# Altium PCB PCB1.PcbDoc (part 1 of 2)
Units mm, origin at the board's own origin, x right, y up, seen from the top; angles counter-clockwise.
Board outline 209.98 x 130 mm, 2 copper layers (Top Layer, Bottom Layer); 182 components, 114 nets, 601 pads, 525 vias.
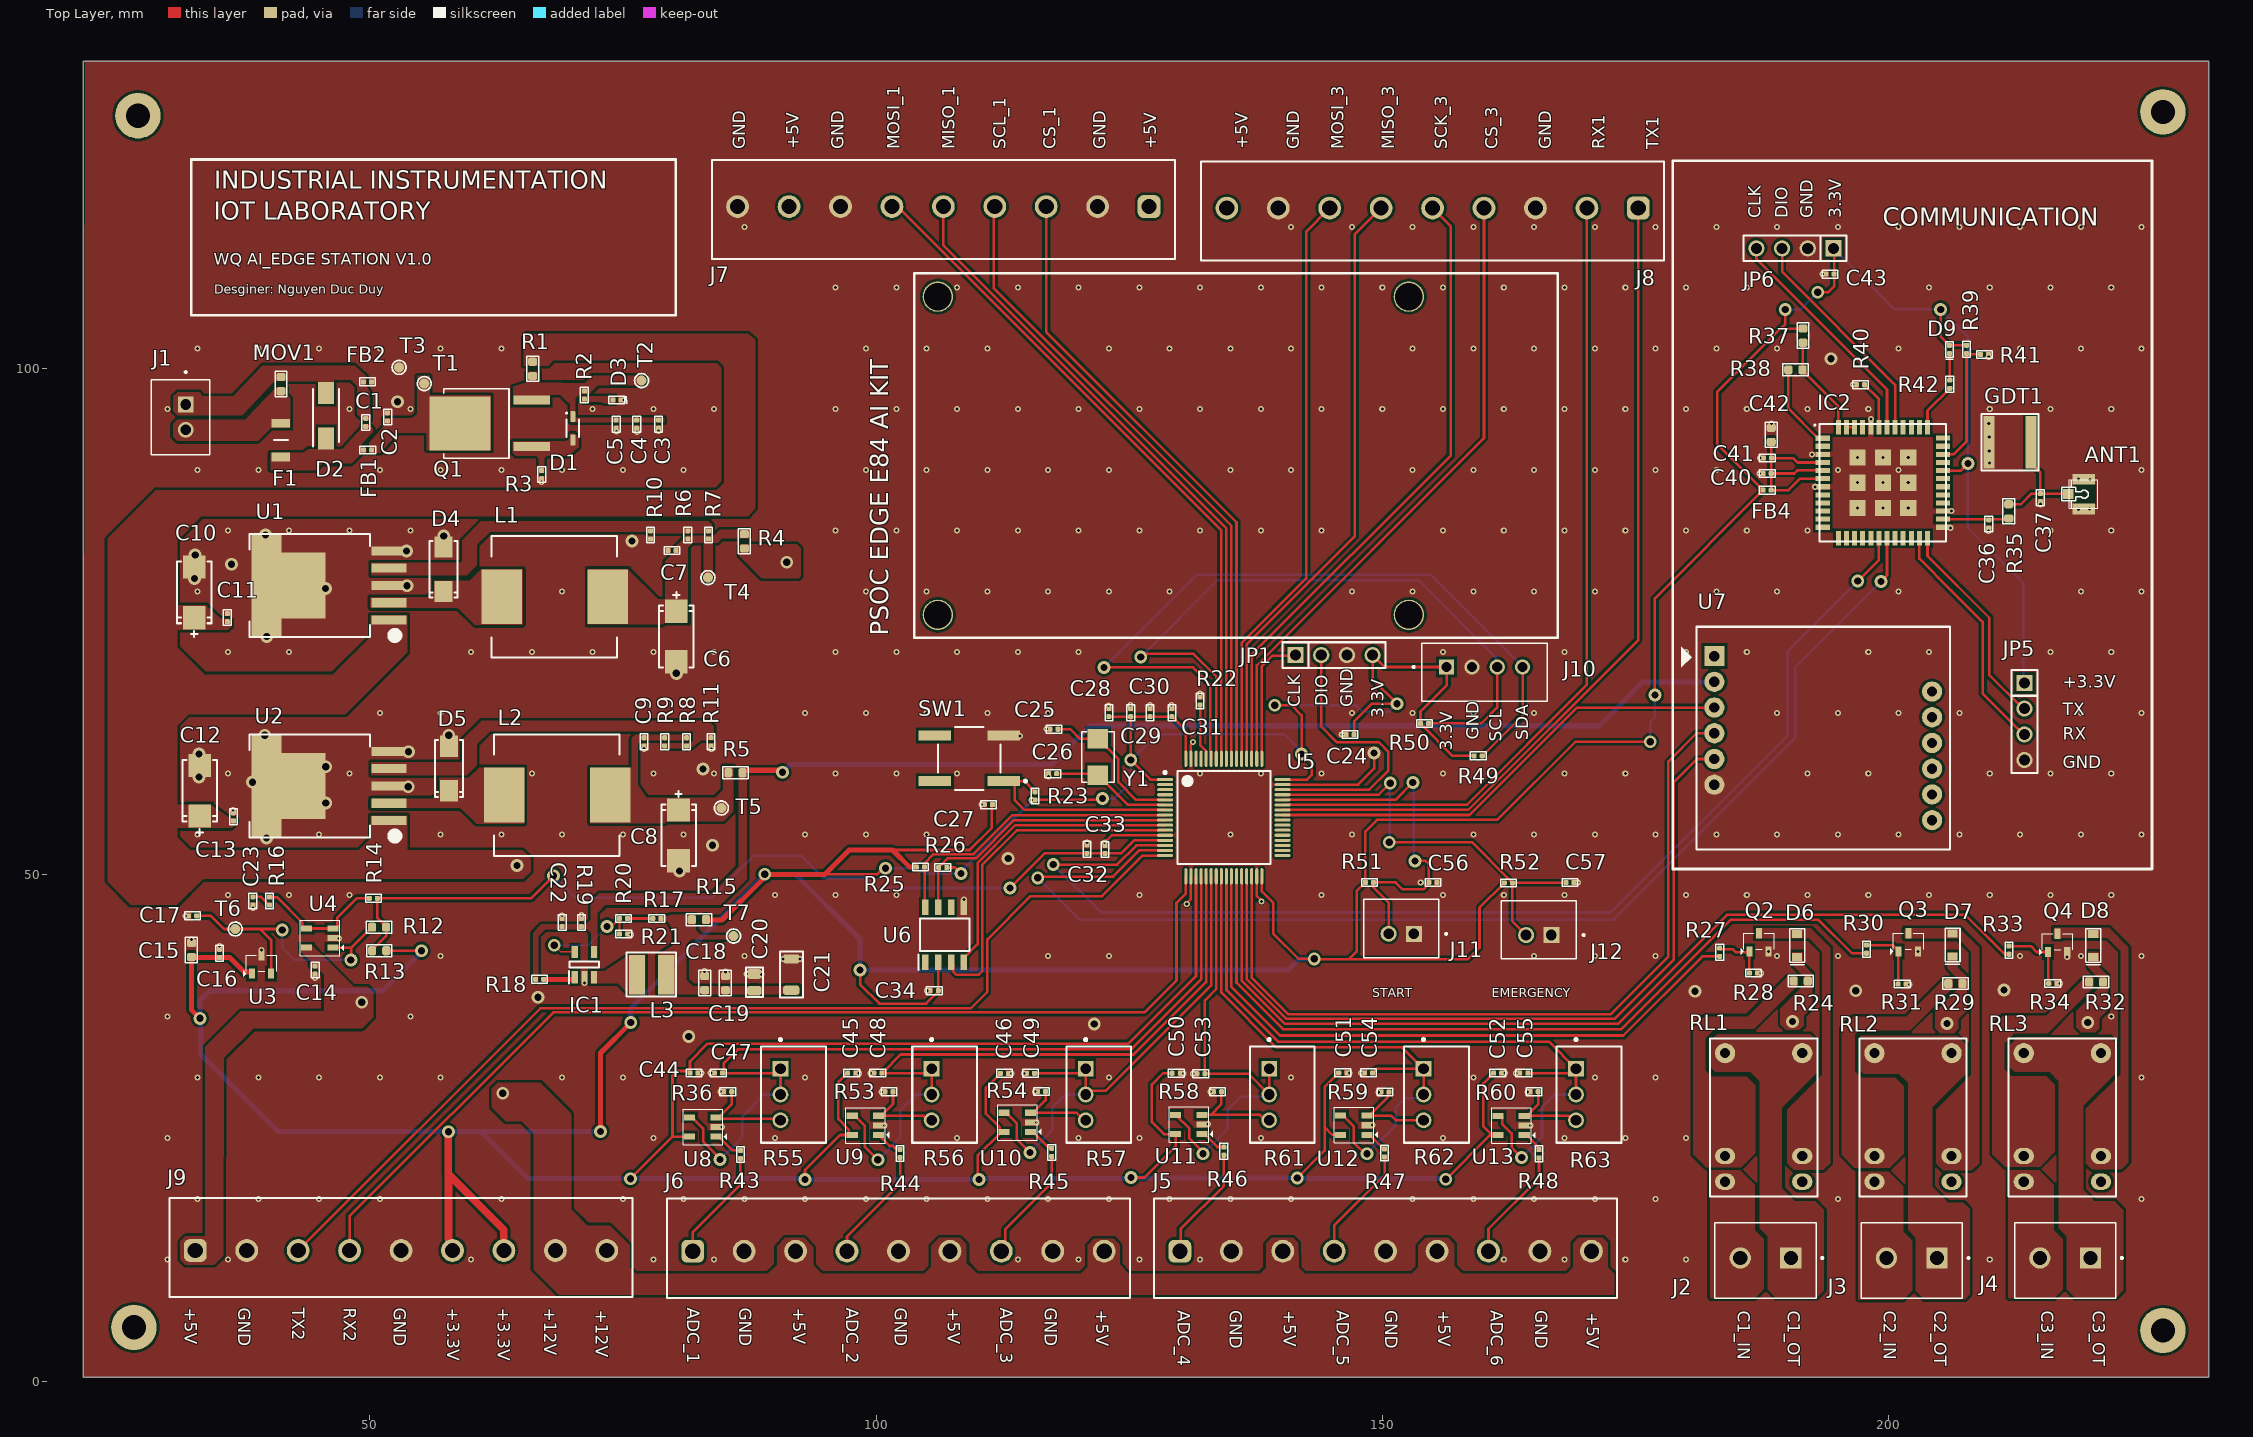
[diagram p0: Top Layer view]
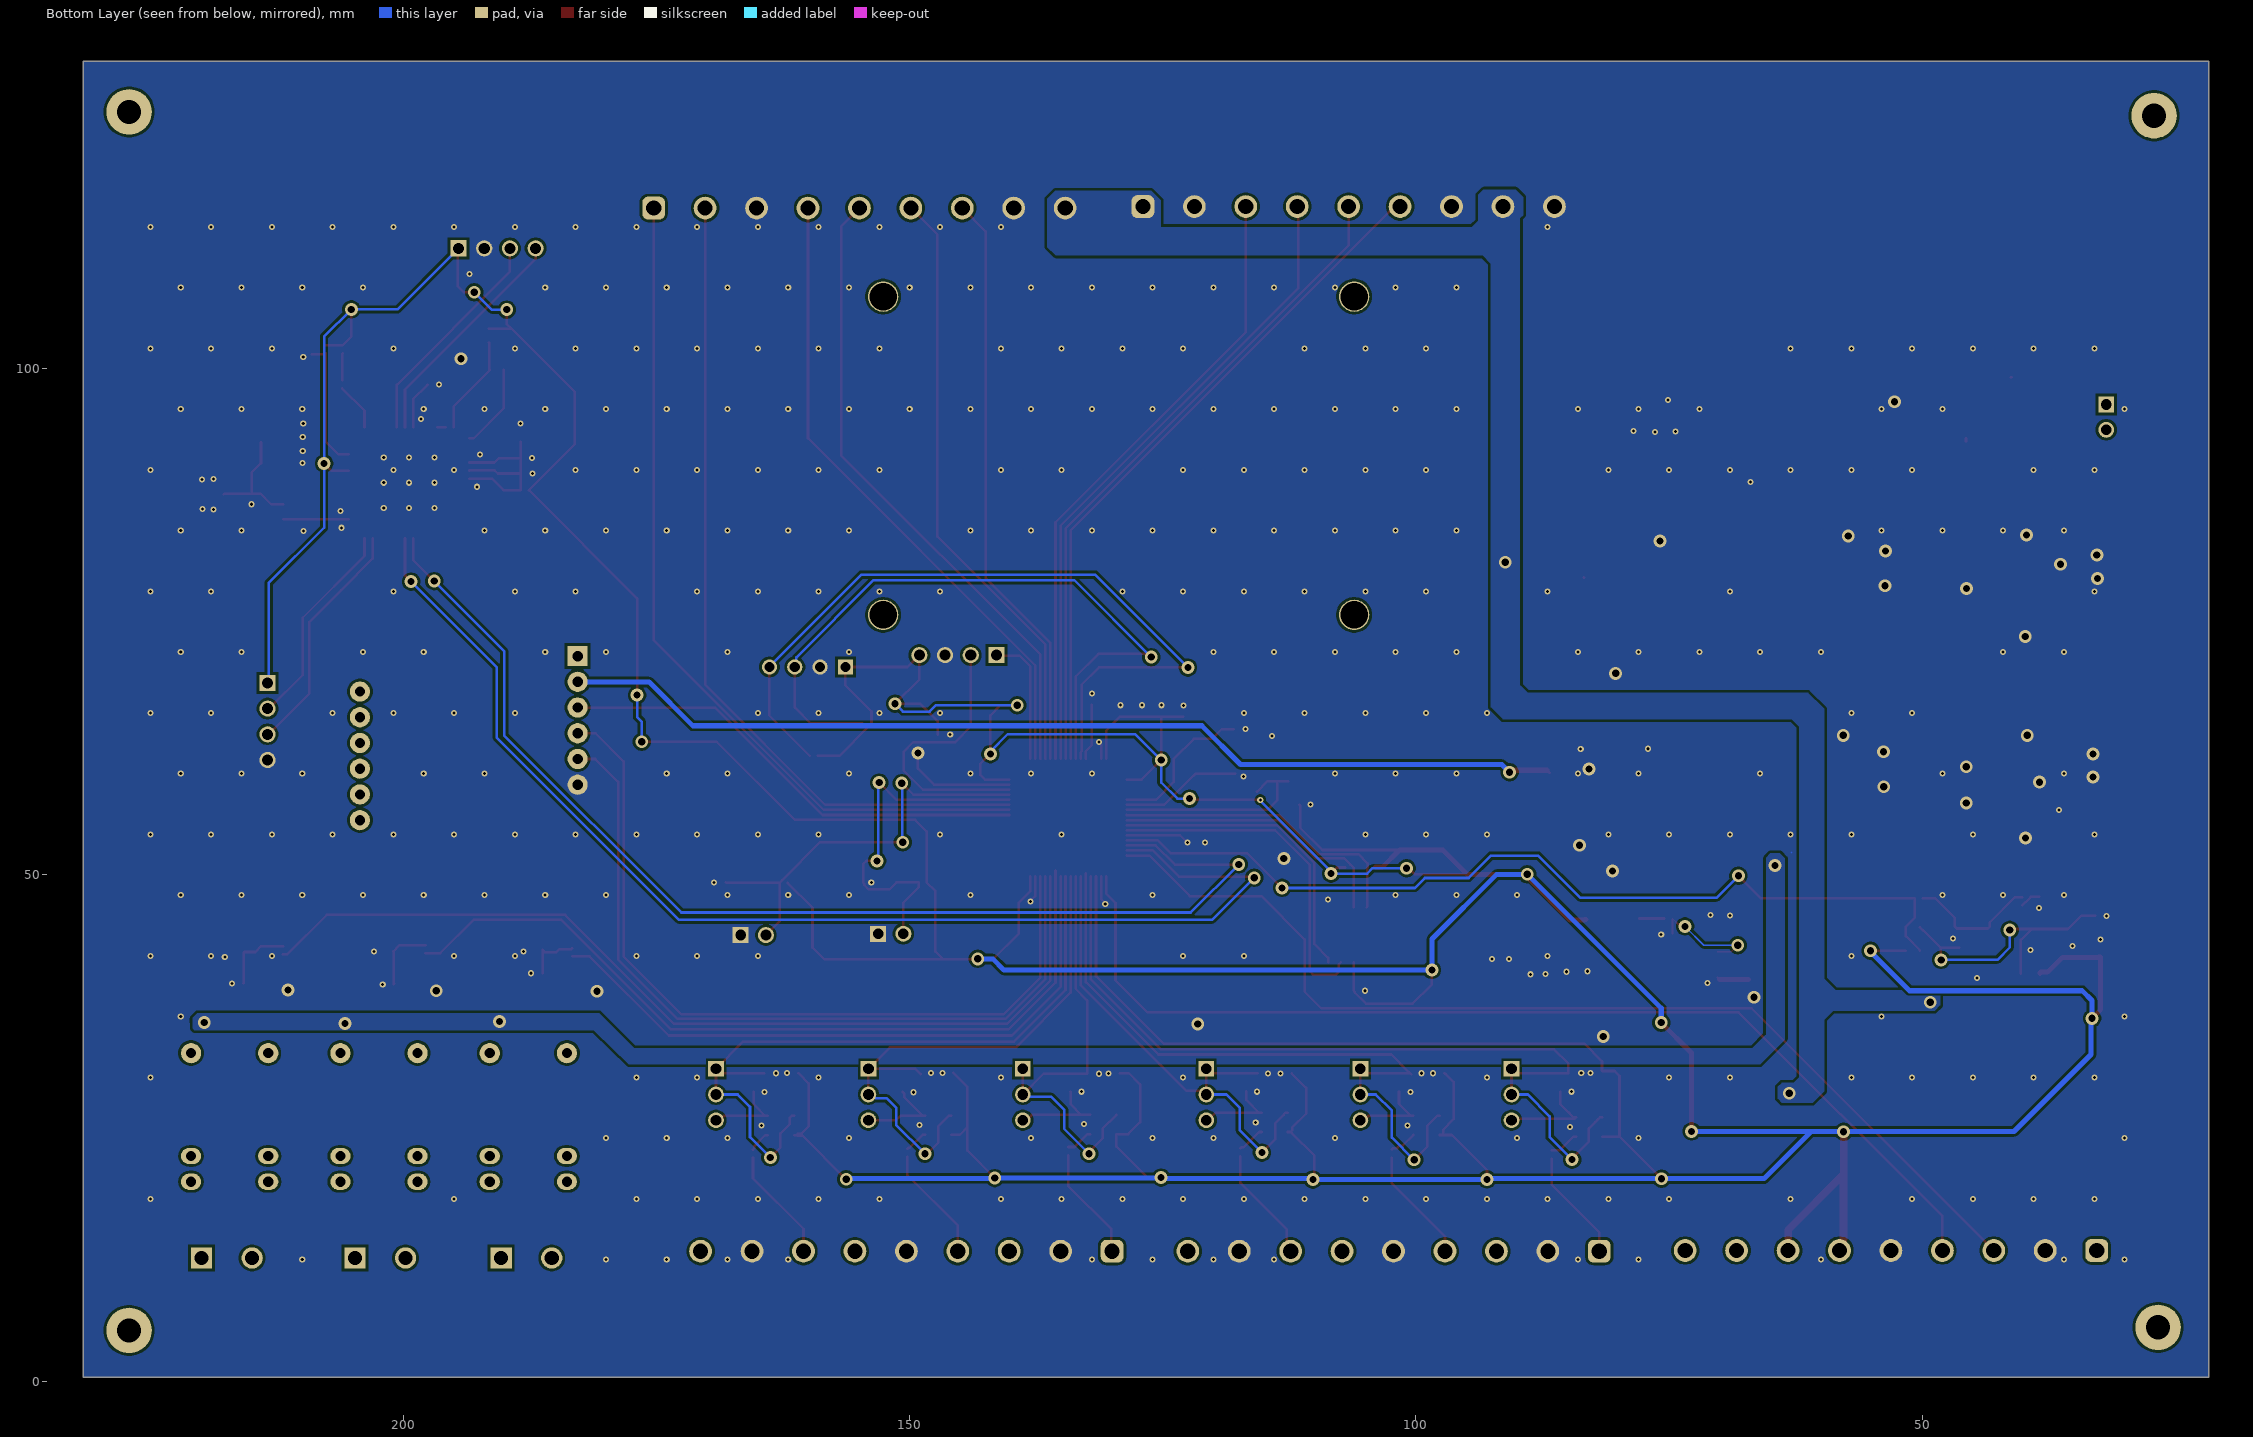
[diagram p1: Bottom Layer view, seen from below]
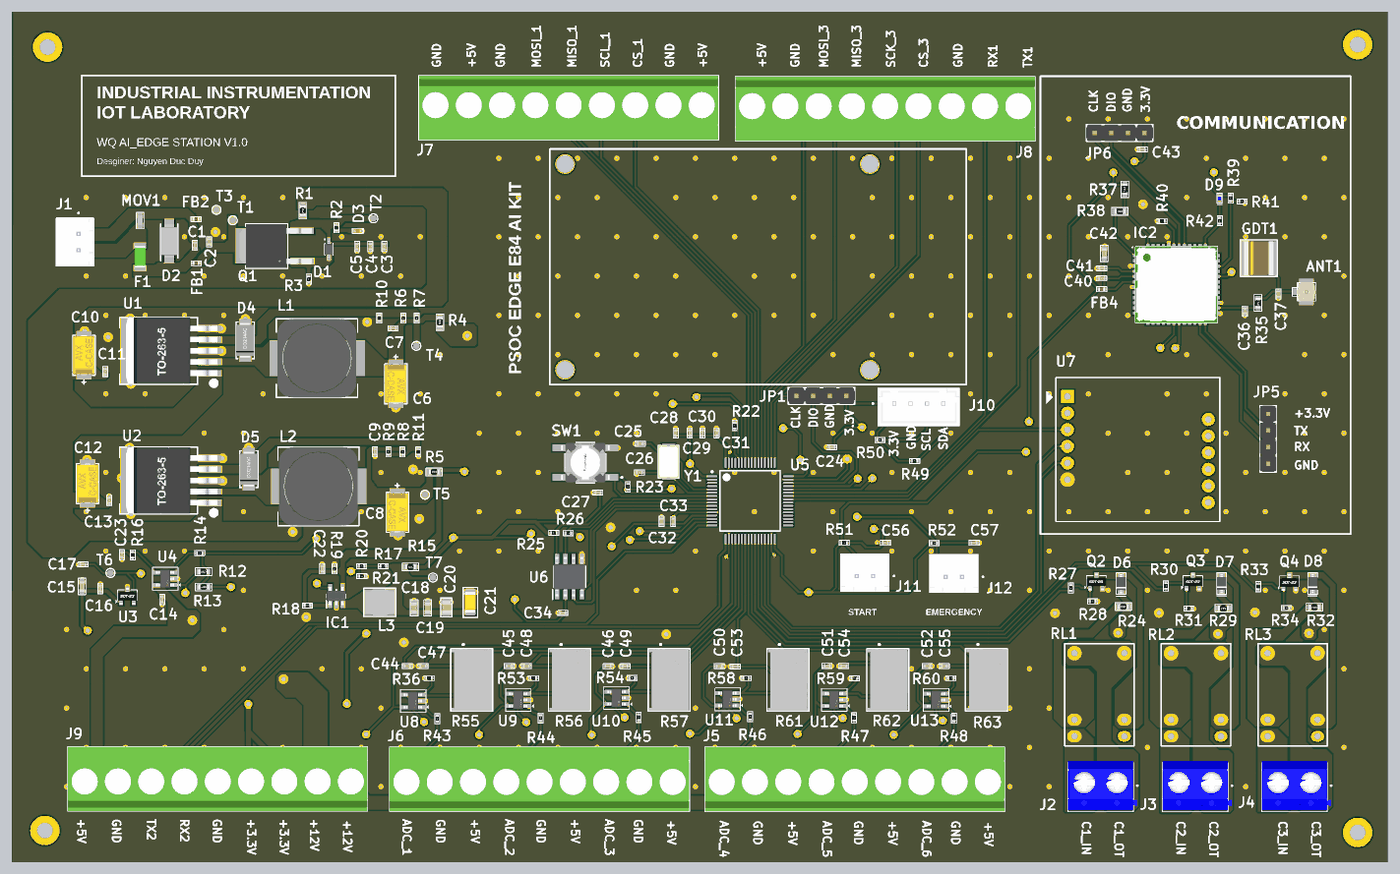
[diagram p3: 3D render of the assembled board from above, using the file's embedded part models]

## Layer stack, top to bottom
Top Solder: solder mask 0.0102, Solder Resist, Dk 3.5
Top Layer: signal copper 0.0356
Dielectric 1: dielectric 0.32, FR-4, Dk 4.8
Bottom Layer: signal copper 0.0356
Bottom Solder: solder mask 0.0102, Solder Resist, Dk 3.5

## Board outline
21.675,0.375 21.675,130.35 231.65,130.35 231.65,130.375 231.65,0.4 231.65,0.375

## Design rules (kind name [scope] priority, off if disabled: settings)
Clearance [All] p1: gap=0.254 ignorepadtopadclearanceinfootprint=FALSE except(0: Arc-Hole Track-Hole SMDPad-Hole THPad-Hole Via-Hole Fill-Hole Poly-Hole Region-Hole Text-Hole; 0.15: Arc-Arc Arc-Track Arc-SMDPad Arc-THPad Track-Track Track-SMDPad Track-THPad SMDPad-SMDPad SMDPad-THPad THPad-THPad)
MinimumSolderMaskSliver [All] p1: minsoldermaskwidth=0.076
PolygonConnect [All] p1: connectstyle=Direct reliefconductorwidth=0.5 reliefentries=4 polygonreliefangle="90 Angle" airgapwidth=0.254
RoomDefinition MEASUREMENT [InComponentClass('MEASUREMENT')] p1: confinementstyle=ConfineIn formatcopy=TRUE lockcomponents=FALSE outline 27.432,7.884 175.927,7.884 175.927,33.8 27.432,33.8
RoomDefinition POWER [InComponentClass('POWER')] p2: confinementstyle=ConfineIn formatcopy=TRUE lockcomponents=FALSE outline 27.309,33.88 93.127,33.88 93.127,103.73 27.309,103.73
RoomDefinition HW [InComponentClass('HW')] p3: confinementstyle=ConfineIn formatcopy=TRUE lockcomponents=FALSE outline 177.51,7.874 226.151,7.874 226.151,50.038 177.51,50.038
RoomDefinition COMMUNICATION_INTERFACE [InComponentClass('COMMUNICATION_INTERFACE')] p4: confinementstyle=ConfineIn formatcopy=TRUE lockcomponents=FALSE outline 168.825,51.627 225.902,51.627 225.902,120.35 168.825,120.35
RoomDefinition MCU [InComponentClass('MCU')] p5: confinementstyle=ConfineIn formatcopy=TRUE lockcomponents=FALSE outline 101.332,37.4 143.115,37.4 143.115,68.357 101.332,68.357
RoutingVias [All] p1: holewidth=0.711 width=1.27 viastyle="Through Hole" minholewidth=0.711 minwidth=1.27 maxholewidth=0.711 maxwidth=1.27
SilkToSolderMaskClearance [IsPad] p1: minsilkscreentomaskgap=0.025 clearancetoexposedcopper=TRUE
SolderMaskExpansion [All] p1: expansion=0.102 istentingtop=FALSE
Width [All] p1: maxlimit=0.254 minlimit=0.15 preferedwidth=0.15
28 further rules are at their usual default settings.

## Classes and differential pairs
component class POWER: C1 C2 C4 C5 C6 C7 C8 C9 C10 C11 C12 C13 C14 C15 C16 C17 C18 C19 C20 C21 C22 C23 D1 D2 D3 D4 D5 F1 FB1 FB2 IC1 J1 L1 L2 L3 MOV1 R1 R2 R3 R4 R5 R6 R7 R8 R9 R10 R11 R12 R13 R14 R15 R16 R17 R18 R19 R20 R21 T1 T2 T3 T4 T5 T6 T7 U1 U2 U3 U4
component class MEASUREMENT: C44 C45 C46 C47 C48 C49 C50 C51 C52 C53 C54 C55 J5 J6 J7 J8 J9 R36 R43 R44 R45 R46 R47 R48 R53 R54 R55 R56 R57 R58 R59 R60 R61 R62 R63 U8 U9 U10 U11 U12 U13
component class MCU: C24 C25 C26 C27 C28 C29 C30 C31 C32 C33 JP1 R22 R23 SW1 U5 Y1
component class HW: C34 C56 C57 D6 D7 D8 J2 J3 J4 J11 J12 Q2 Q3 Q4 R24 R25 R26 R27 R28 R29 R30 R31 R32 R33 R34 R51 R52 RL1 RL2 RL3 START U6
component class COMMUNICATION_INTERFACE: ANT1 C36 C37 C40 C41 C42 C43 D9 FB4 GDT1 IC2 J10 JP5 JP6 R35 R37 R38 R39 R40 R41 R42 R49 R50 U7

## Components (designator, comment, footprint, x,y, rotation, side; value= is the part's Value field where it differs from the comment)
ANT1 "Anten SMD" 20279-001E-01 219.275,87.6 r270 top
C1 "10nF" "CAP 0402 (1005)" 49.599,94.675 r90 top
C2 "0.22uF" "CAP 0402 (1005)" 51.758,95.221 r90 top
C3 "10nF" "CAP 0402 (1005)" 78.521,94.51 r270 top
C4 "1nF" "CAP 0402 (1005)" 76.362,94.51 r270 top
C5 "0.1uF" "CAP 0402 (1005)" 74.33,94.51 r270 top
C6 "TAJC476M016RNJ" "CAP TANTA 2312" 80.268,73.544 r270 top
C7 "1uF" "CAP 0402 (1005)" 79.85,82.025 r180 top
C8 "TAJC476M016RNJ" "CAP TANTA 2312" 80.5,53.9 r270 top
C9 "1uF" "CAP 0402 (1005)" 77.093,63.139 r270 top
C10 "TAJC476M016RNJ" "CAP TANTA 2312" 32.658,77.896 r90 top
C11 "1uF" "CAP 0402 (1005)" 35.925,75.4 r90 top
C12 "TAJC476M016RNJ" "CAP TANTA 2312" 33.2,58.3 r90 top
C13 "1uF" "CAP 0402 (1005)" 36.525,55.725 r90 top
C14 "0.1uF" "CAP 0402 (1005)" 44.6,40.6 r90 top
C15 "10uF" "CAP 0603 (1608)" 32.375,42.575 r90 top
C16 "0.1uF" "CAP 0402 (1005)" 35.15,42.25 r90 top
C17 "1uF" "CAP 0402 (1005)" 32.5,45.95 r180 top
C18 "10uF" "CAP 0603 (1608)" 83.075,39.3 r90 top
C19 "10uF" "CAP 0603 (1608)" 85.125,39.3 r90 top
C20 "22uF" "CAP 0805 (2012)" 87.975,39.375 r90 top
C21 "47uF" "CAP 1206 (3216)" 91.625,40.15 r90 top
C22 "4.7uF" "CAP 0402 (1005)" 69,45.275 r90 top
C23 "2.2uF" "CAP 0402 (1005)" 38.45,47.425 r270 top
C24 "0.1uF" "CAP 0402 (1005)" 146.825,63.85 r180 top
C25 "10pF" "CAP 0402 (1005)" 117.575,64.375 r0 top
C26 "10pF" "CAP 0402 (1005)" 117.442,59.988 r0 top
C27 "0.1uF" "CAP 0402 (1005)" 111.1,56.925 r0 top
C28 "0.1uF" "CAP 0402 (1005)" 122.994,66.014 r90 top
C29 "0.1uF" "CAP 0402 (1005)" 125.153,66.014 r90 top
C30 "0.1uF" "CAP 0402 (1005)" 127.058,66.014 r90 top
C31 "0.1uF" "CAP 0402 (1005)" 129.217,66.014 r90 top
C32 "0.1uF" "CAP 0402 (1005)" 120.823,52.524 r90 top
C33 "1uF" "CAP 0402 (1005)" 122.601,52.505 r90 top
C34 "0.1uF" "CAP 0402 (1005)" 105.75,38.55 r180 top
C36 "33pF" "CAP 0402 (1005)" 209.9,84.65 r270 top
C37 "33pF" "CAP 0402 (1005)" 215,87.25 r270 top
C40 "0.22uF" "CAP 0402 (1005)" 188.015,89.639 r180 top
C41 "0.1uF" "CAP 0402 (1005)" 188.034,91.163 r180 top
C42 "10uF" "CAP 0603 (1608)" 188.413,93.449 r90 top
C43 "0.1uF" "CAP 0402 (1005)" 194.225,109.325 r180 top
C44 "0.1uF" "CAP 0402 (1005)" 82.023,30.414 r180 top
C45 "0.1uF" "CAP 0402 (1005)" 97.598,30.414 r180 top
C46 "0.1uF" "CAP 0402 (1005)" 112.683,30.389 r180 top
C47 "100nF" "CAP 0402 (1005)" 84.419,30.42 r0 top
C48 "100nF" "CAP 0402 (1005)" 100.173,30.42 r0 top
C49 "100nF" "CAP 0402 (1005)" 115.248,30.395 r0 top
C50 "0.1uF" "CAP 0402 (1005)" 129.65,30.4 r180 top
C51 "0.1uF" "CAP 0402 (1005)" 146.098,30.439 r180 top
C52 "0.1uF" "CAP 0402 (1005)" 161.402,30.414 r180 top
C53 "100nF" "CAP 0402 (1005)" 132.075,30.35 r0 top
C54 "100nF" "CAP 0402 (1005)" 148.644,30.445 r0 top
C55 "100nF" "CAP 0402 (1005)" 163.973,30.42 r0 top
C56 "0.1uF" "CAP 0402 (1005)" 155,49.25 r0 top
C57 "0.1uF" "CAP 0402 (1005)" 168.55,49.25 r0 top
D1 "10V" SOT-323 70.05,94.1 r270 top
D2 "TVS12V" "TVS SMAj12A" 45.675,95.35 r90 top
D3 "RED" "LED 0402 RED" 74.438,96.891 r180 top
D4 "SS34" DO-214AC 57.275,80.175 r90 top
D5 "SS34" DO-214AC 57.825,60.5 r90 top
D6 "1N4148WS" SOD323 190.975,43 r90 top
D7 "1N4148WS" SOD323 206.325,43.05 r90 top
D8 "1N4148WS" SOD323 220.225,43.025 r90 top
D9 "BLUE" "LED0402 BLUE" 206,101.85 r90 top
F1 "MF-NSML260/12-2" FUSC3216X100N 41.217,92.935 r90 top
FB1 "220Ω@100MHz" "FB 0402 (1005)" 49.788,91.959 r0 top
FB2 "220Ω@100MHz" "FB 0402 (1005)" 49.769,98.69 r0 top
FB4 "MCB1005B601FBP" "FB 0402 (1005)" 188.015,87.988 r0 top
GDT1 "SH75" GDT 212.025,92.775 r0 top
IC1 "TLV62569DBVT" TLV62569DBVR 71.19,41.139 r90 top
IC2 "CMWX1ZZABZ-078" CMWX1ZZABZ-078 199.45,88.725 r0 top
J1 "B2B-XH-2__LF__SN_" JST_B2B-XH-A(LF)(SN) 31.294,95.201 r90 top
J2 "KF301-2P" HANDSON_KF301-2P 187.855,12.154 r180 top
J3 "KF301-2P" HANDSON_KF301-2P 202.293,12.154 r180 top
J4 "KF301-2P" HANDSON_KF301-2P 217.446,12.154 r180 top
J5 "691242510009" 691242510009 150.331,13.125 r0 top
J6 "691242510009" 691242510009 102.213,13.125 r0 top
J7 "691242510009" 691242510009 106.647,115.702 r180 top
J8 "691242510009" 691242510009 154.967,115.552 r180 top
J9 "691242510009" 691242510009 53.086,13.193 r0 top
J10 "B4B-XH-A" JST_B4B-XH-A 160.1,70 r180 top
J11 "B2B-XH-A(LF)(SN)" JST_B2B-XH-A(LF)(SN) 151.875,44.7 r0 top
J12 "B2B-XH-A(LF)(SN)" JST_B2B-XH-A(LF)(SN) 165.45,44.575 r0 top
JP1 "JP 1x4 2.54" "JP 1x4 DT" 141.43,71.7 r0 top
JP5 "JP 1x4 2.54" "JP 1X4 DT" 213.425,68.955 r270 top
JP6 "JP 1x4 2.54" "JP 1X4 DT" 194.565,111.875 r180 top
L1 "33uH" "CDRH127 (12x12x7MM)" 68.225,77.45 r0 top
L2 "33uH" "CDRH127 (12x12x7MM)" 68.457,57.877 r0 top
L3 "2.2uH" IND_4028 77.825,40.15 r0 top
MOV1 "22V" MOV22 41.217,98.461 r90 top
Q1 "LK_04976" TO-252 60.521,94.586 r90 top
Q2 "MMBT4401-7-F" SOT-23-3 187.202,43.328 r0 top
Q3 "MMBT4401-7-F" SOT-23-3 201.955,43.328 r0 top
Q4 "MMBT4401-7-F" SOT-23-3 216.7,43.275 r0 top
R1 "0R" "RES 0603 (1608)" 66.075,99.975 r90 top
R2 "1kR" "RES 0402 (1005)" 71.189,97.38 r90 top
R3 "100kR" "RES 0402 (1005)" 66.975,89.525 r90 top
R4 "0R" "RES 0603 (1608)" 86.999,82.942 r270 top
R5 "0R" "RES 0603 (1608)" 86.11,60.082 r0 top
R6 "6.8kR" "RES 0402 (1005)" 81.411,83.577 r270 top
R7 "8.2kR" "RES 0402 (1005)" 83.443,83.577 r270 top
R8 "3kR" "RES 0402 (1005)" 81.284,63.139 r90 top
R9 "6.8kR" "RES 0402 (1005)" 79.125,63.139 r90 top
R10 "1kR" "RES 0402 (1005)" 77.728,83.577 r270 top
R11 "1kR" "RES 0402 (1005)" 83.697,63.142 r270 top
R12 "DNP" "RES 0603 (1608)" 50.913,44.827 r180 top
R13 "DNP" "RES 0603 (1608)" 50.925,42.5 r0 top
R14 "0R" "RES 0402 (1005)" 50.35,47.675 r0 top
R15 "0R" "RES 0603 (1608)" 82.5,45.575 r0 top
R16 "0.56R" "RES 0402 (1005)" 40.1,47.4 r90 top
R17 "150kR" "RES 0402 (1005)" 78.344,45.682 r0 top
R18 "10kR" "RES 0402 (1005)" 66.775,39.675 r0 top
R19 "499kR" "RES 0402 (1005)" 70.9,45.275 r270 top
R20 "300kR" "RES 0402 (1005)" 75.061,45.682 r0 top
R21 "100kR" "RES 0402 (1005)" 75.075,44.15 r180 top
R22 "10kR" "RES 0402 (1005)" 132,67.175 r270 top
R23 "10kR" "RES 0402 (1005)" 115.7,57.8 r270 top
R24 "120R" "RES 0603 (1608)" 191.327,39.502 r180 top
R25 "4.7kR" "RES 0402 (1005)" 104.376,50.773 r180 top
R26 "4.7kR" "RES 0402 (1005)" 106.588,50.724 r0 top
R27 "1kR" "RES 0402 (1005)" 183.327,42.352 r90 top
R28 "100kR" "RES 0402 (1005)" 186.652,40.302 r180 top
R29 "120R" "RES 0603 (1608)" 206.602,39.252 r180 top
R30 "1kR" "RES 0402 (1005)" 197.827,42.652 r90 top
R31 "100kR" "RES 0402 (1005)" 201.352,39.202 r180 top
R32 "120R" "RES 0603 (1608)" 220.502,39.402 r180 top
R33 "1kR" "RES 0402 (1005)" 211.902,42.552 r90 top
R34 "100kR" "RES 0402 (1005)" 216.225,39.275 r180 top
R35 "0R" "RES 0603 (1608)" 211.875,85.9 r90 top
R36 "10kR" "RES 0402 (1005)" 85.35,28.575 r180 top
R37 "0R" "RES 0603 (1608)" 191.55,103.25 r90 top
R38 "DNP" "RES 0603 (1608)" 190.8,99.875 r180 top
R39 "10kR" "RES 0402 (1005)" 207.7,101.9 r90 top
R40 "10kR" "RES 0402 (1005)" 197.225,98.4 r0 top
R41 "DNP" "RES 0402 (1005)" 209.475,101.4 r0 top
R42 "1kR" "RES 0402 (1005)" 206.05,98.45 r90 top
R43 "1kR" "RES 0402 (1005)" 86.6,22.375 r270 top
R44 "1kR" "RES 0402 (1005)" 102.375,22.475 r270 top
R45 "1kR" "RES 0402 (1005)" 117.35,22.575 r270 top
R46 "1kR" "RES 0402 (1005)" 134.35,22.7 r270 top
R47 "1kR" "RES 0402 (1005)" 150.225,22.525 r270 top
R48 "1kR" "RES 0402 (1005)" 165.475,22.45 r270 top
R49 "4.7kR" "RES 0402 (1005)" 159.475,61.75 r0 top
R50 "4.7kR" "RES 0402 (1005)" 154.175,64.95 r0 top
R51 "10kR" "RES 0402 (1005)" 148.725,49.245 r180 top
R52 "10kR" "RES 0402 (1005)" 162.45,49.2 r180 top
R53 "10kR" "RES 0402 (1005)" 101.275,28.575 r180 top
R54 "10kR" "RES 0402 (1005)" 116.35,28.6 r180 top
R55 "3299W-1-103" BOUR-3299W-3_V 91.85,28.3 r270 top
R56 "3299W-1-103" BOUR-3299W-3_V 106.775,28.3 r270 top
R57 "3299W-1-103" BOUR-3299W-3_V 121.992,28.3 r270 top
R58 "10kR" "RES 0402 (1005)" 133.725,28.575 r180 top
R59 "10kR" "RES 0402 (1005)" 150.275,28.55 r180 top
R60 "10kR" "RES 0402 (1005)" 165,28.575 r180 top
R61 "3299W-1-103" BOUR-3299W-3_V 140.115,28.3 r270 top
R62 "3299W-1-103" BOUR-3299W-3_V 155.365,28.3 r270 top
R63 "3299W-1-103" BOUR-3299W-3_V 170.425,28.3 r270 top
RL1 "SR5-9V-200-1C" "RELAY SR5-9V-200-1C" 187.67,26.035 r90 top
RL2 "SR5-9V-200-1C" "RELAY SR5-9V-200-1C" 202.42,26.035 r90 top
RL3 "SR5-9V-200-1C" "RELAY SR5-9V-200-1C" 217.17,26.035 r90 top
SW1 "EVQ-P1905M" FP-EVQ-P1905M-MFG 109.206,61.499 r90 top
T1 "TEST_POINT" "TEST POINT" 55.376,98.517 r0 top
T2 "TEST_POINT" "TEST POINT" 76.839,98.817 r0 top
T3 "TEST_POINT" "TEST POINT" 52.882,100.12 r0 top
T4 "TEST_POINT" "TEST POINT" 83.4,79.35 r180 top
T5 "TEST_POINT" "TEST POINT" 84.725,56.6 r180 top
T6 "TEST_POINT" "TEST POINT" 36.707,44.65 r0 top
T7 "TEST_POINT" "TEST POINT" 85.925,43.95 r0 top
U1 "LM2596HVS-ADJ" TO-263-6#1 45.597,78.584 r90 top
U2 "LM2596HVS-ADJ" TO-263-6#2 45.597,58.775 r90 top
U3 "ISL21010CFH330Z-TK" SOT-23-3 39.3,41.15 r0 top
U4 "LM321LVIDBVR" SOT-23-5 86.026,46.104 r180 top
U5 "STM32L476RET6" STM-LQFP64_L 134.352,55.657 r0 top
U6 "DS3231MZ+" SOIC127P600X175-8N 106.775,44.075 r90 top
U7 "TDM2309" "MODULE SIM SIM800L" 193.55,63.5 r0 top
U8 "LM321LVIDBVR" SOT-23-5 123.864,27.447 r180 top
U9 "LM321LVIDBVR" SOT-23-5 139.926,27.604 r180 top
U10 "LM321LVIDBVR" SOT-23-5 154.926,27.904 r180 top
U11 "LM321LVIDBVR" SOT-23-5 171.867,27.697 r180 top
U12 "LM321LVIDBVR" SOT-23-5 188.153,27.622 r180 top
U13 "LM321LVIDBVR" SOT-23-5 203.695,27.597 r180 top
Y1 "8Mhz" SMD5032 121.906,61.639 r90 top
